# Altium PCB AI Gateway - Carrier.PcbDoc (part 1 of 3) (continued)
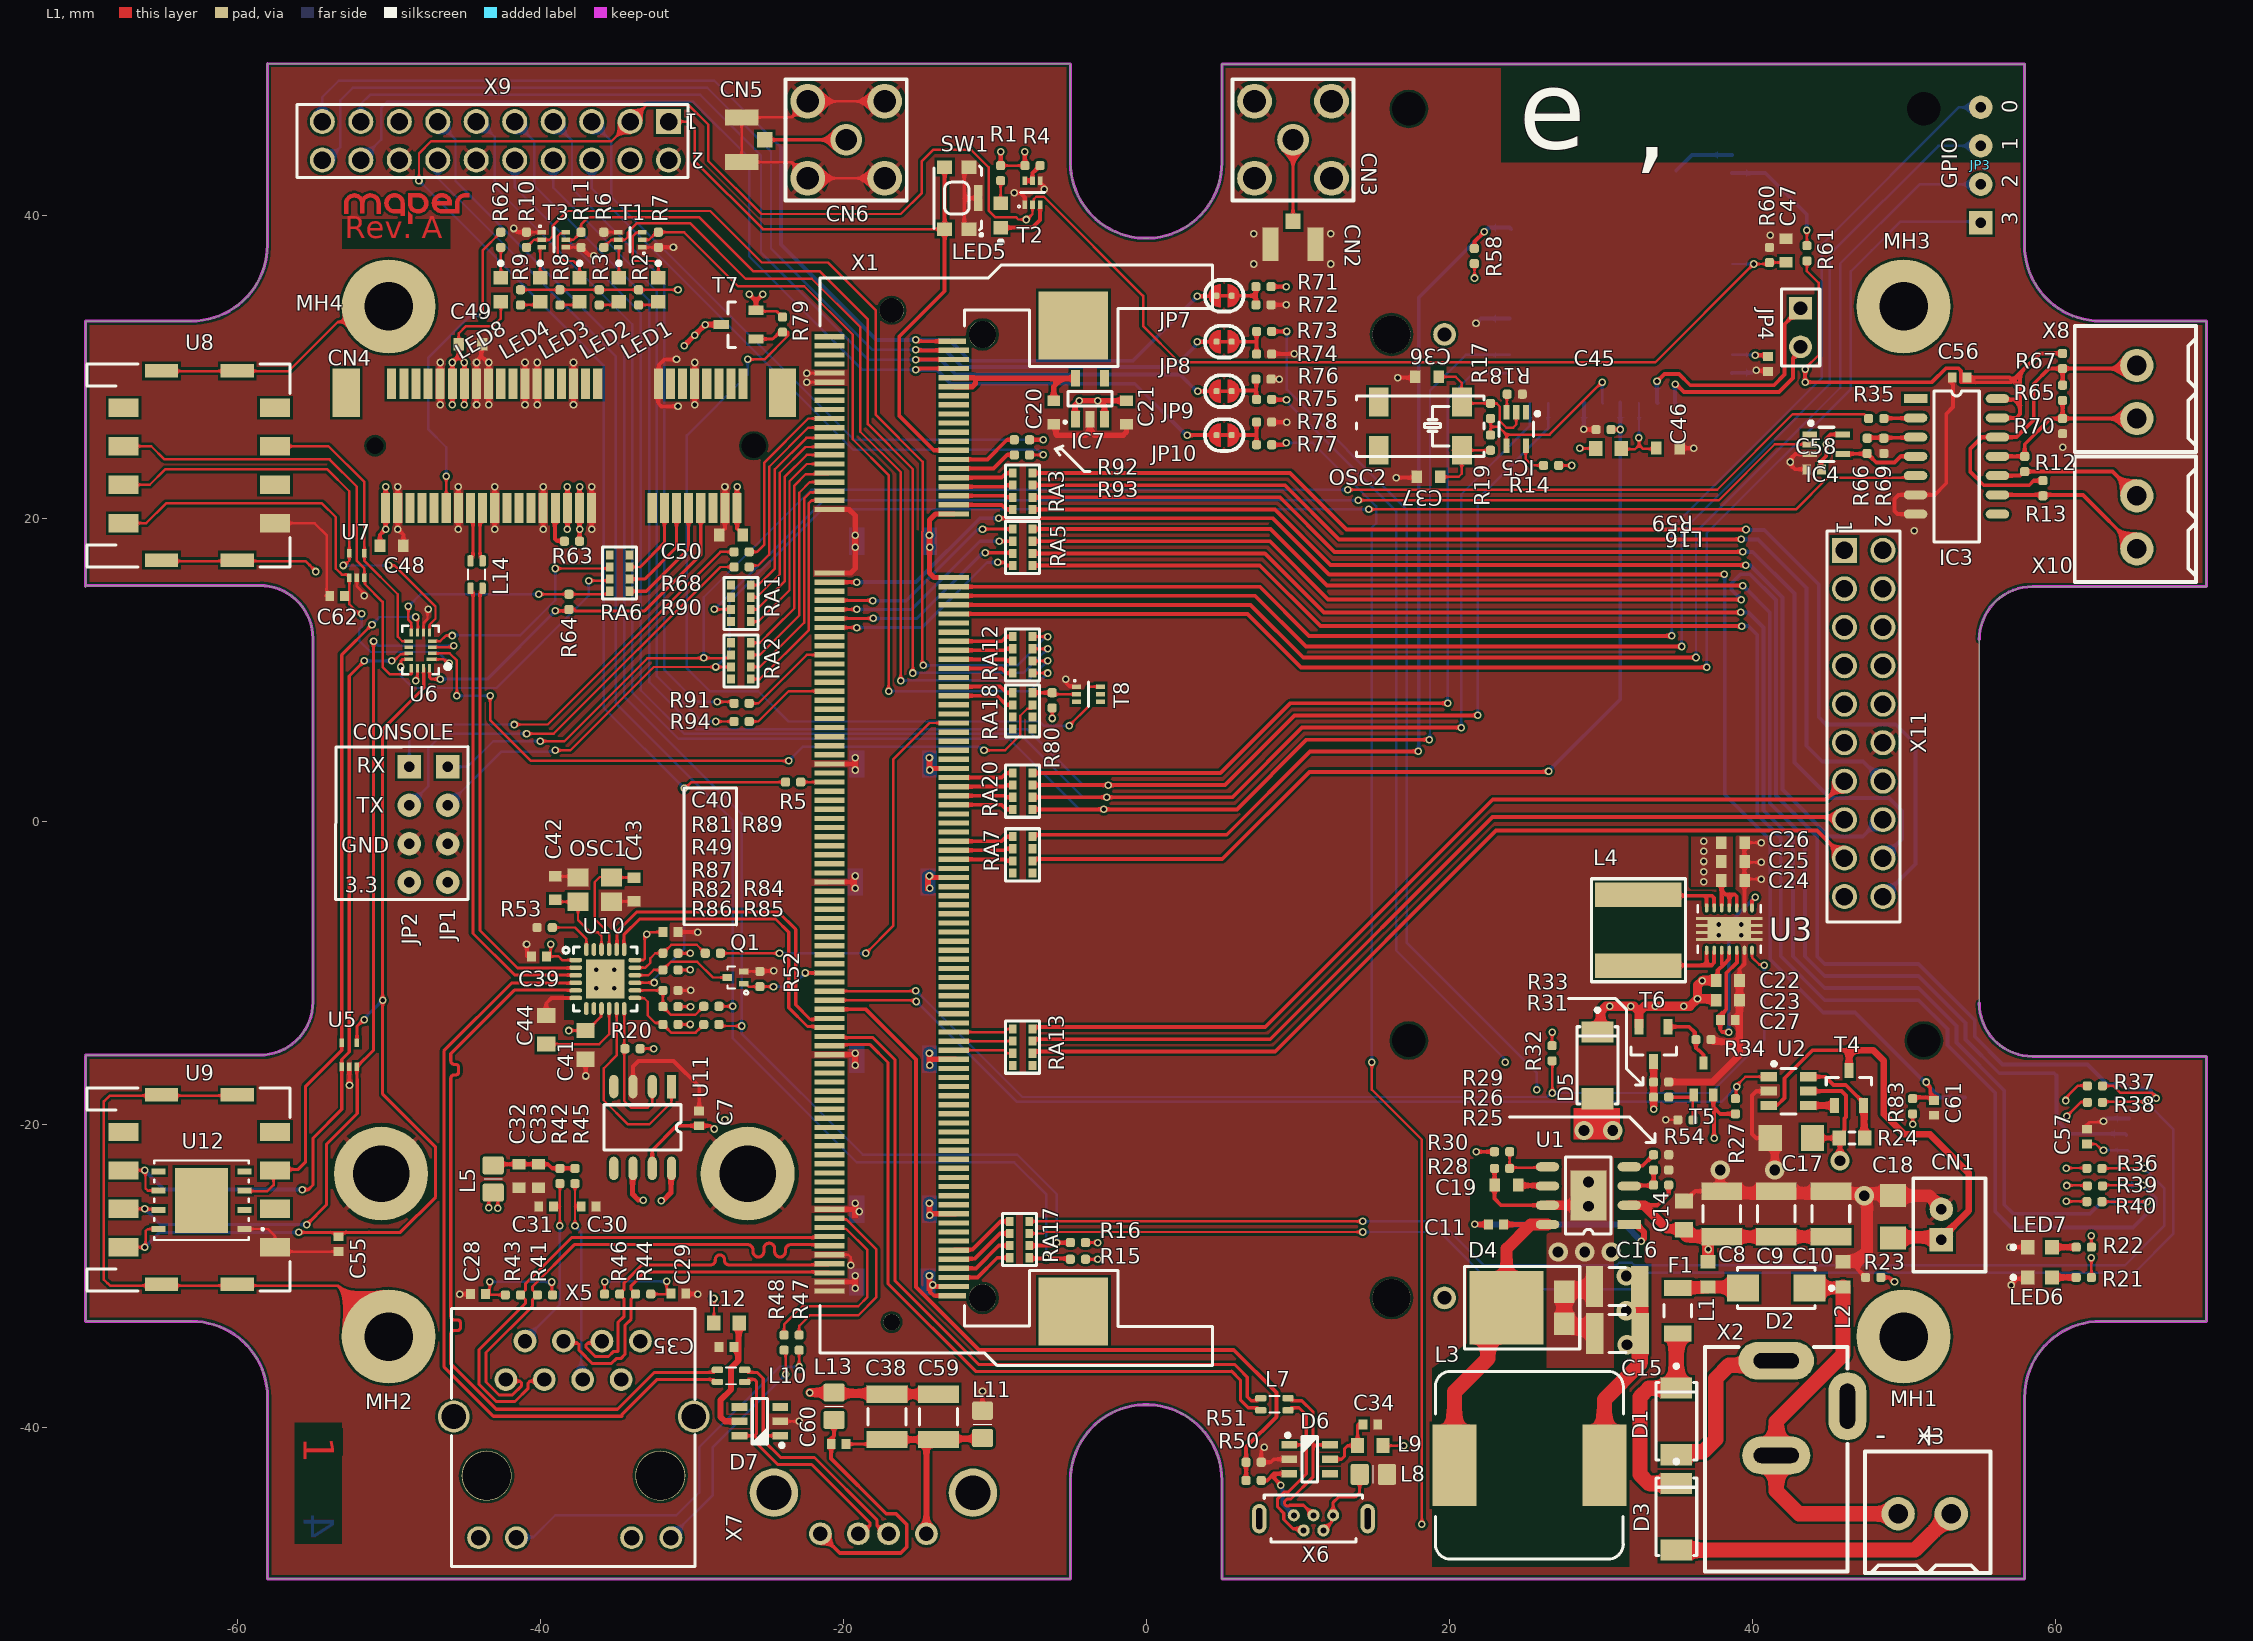
[diagram p0: L1 view]
## Components (designator, comment, footprint, x,y, rotation, side; value= is the part's Value field where it differs from the comment) (continued)
R32 "1M 1% 63mW" RESC1005X40N 26.8,-15.3 r90 top value=1M
R33 "75K 1% 63mW" RESC1005X40N 34,-17.2 r180 top value=75k
R34 "28K 1% 63mW" RESC1005X40N 36.8,-14.4 r180 top value=28k
R35 "10K 1% 63mW" RESC1005X40N 48.2,26.6 r180 top value=10k
R36 "33K 1% 63mW" RESC1005X40N 62.6,-22.9 r180 top value=330
R37 "68K 1% 63mW" RESC1005X40N 62.634,-17.45 r180 top value=68K
R38 "68K 1% 63mW" RESC1005X40N 62.634,-18.55 r180 top value=68K
R39 "68K 1% 63mW" RESC1005X40N 62.634,-24.05 r180 top value=68K
R40 "68K 1% 63mW" RESC1005X40N 62.6,-25.1 r180 top value=68K
R41 "49.9R 1% 63mW" RESC1005X40N -39.675,-31.25 r180 top value=49.9
R42 "0R" RESC1005X40N -38.7,-23.4 r90 top
R43 "49.9R 1% 63mW" RESC1005X40N -41.8,-31.25 r180 top value=49.9
R44 "49.9R 1% 63mW" RESC1005X40N -33.2,-31.2 r180 top value=49.9
R45 "0R" RESC1005X40N -37.7,-23.4 r90 top
R46 "49.9R 1% 63mW" RESC1005X40N -35.25,-31.2 r180 top value=49.9
R47 "150R 1% 63mW" RESC1005X40N -22.9,-34.4 r90 top value=150R
R48 "150R 1% 63mW" RESC1005X40N -23.9,-34.4 r90 top value=150R
R49 "100K 1% 63mW" RESC1005X40N -31.4,-9.8 r0 top value=100k
R50 "560R 1% 63mW" RESC1005X40N 7.1,-43.5 r180 top value=560
R51 "1K 1% 63mW" RESC1005X40N 7.1,-42.3 r0 top value=1K
R52 "100K 1% 63mW" RESC1005X40N -25.5,-10.4 r90 top value=100k
R53 "12K 1% 63mW" RESC1005X40N -39.7,-7 r180 top value=12K
R54 "280K 1% 63mW" RESC1005X40N 35.6,-19.7 r0 top value=280k
R58 "10K 1% 63mW" RESC1005X40N 21.665,37.326 r270 top value=10k
R59 "1M 1% 63mW" RESC1005X40N 30.2,25.875 r0 top value=1M
R60 "1M 1% 63mW" RESC1005X40N 41.15,37.4 r270 top value=1M
R61 "1M 1% 63mW" RESC1005X40N 43.625,37.509 r90 top value=1M
R62 "150R 1% 63mW" RESC1005X40N -42.6,38.4 r90 top value=150R
R63 "0R" RESC1005X40N -37.9,18.5 r180 top
R64 "10K 1% 63mW" RESC1005X40N -38.1,14.5 r270 top value=10k
R65 "120R 1% 63mW" RESC1005X40N 60.5,28.3 r270 top value=120R
R66 "0R" RESC1005X40N 47.6,24.8 r270 top
R67 "680R 1% 63mW" RESC1005X40N 60.5,30.4 r90 top value=680
R68 "22R 1% 63mW" RESC1005X40N -26.7,17.8 r0 top value=22
R69 "100K 1% 63mW" RESC1005X40N 48.7,24.8 r90 top value=100k
R70 "680R 1% 63mW" RESC1005X40N 60.5,26.1 r90 top value=680
R71 "280K 1% 63mW" RESC1005X40N 7.75,35.305 r0 top value=280k
R72 "280K 1% 63mW" RESC1005X40N 7.75,34.105 r0 top value=280k
R73 "280K 1% 63mW" RESC1005X40N 7.792,32.347 r0 top value=280k
R74 "280K 1% 63mW" RESC1005X40N 7.792,30.851 r0 top value=280k
R75 "280K 1% 63mW" RESC1005X40N 7.792,27.86 r0 top value=280k
R76 "280K 1% 63mW" RESC1005X40N 7.75,29.205 r0 top value=280k
R77 "1M 1% 63mW" RESC1005X40N 7.792,24.868 r180 top value=1M
R78 "100K 1% 63mW" RESC1005X40N 7.792,26.364 r180 top value=100k
R79 "100K 1% 63mW" RESC1005X40N -24,32.8 r90 top value=100k
R80 "10K 1% 63mW" RESC1005X40N -6.2,8 r270 top value=10k
R81 "100K 1% 63mW" RESC1005X40N -31.4,-8.7 r0 top value=100k
R82 "100K 1% 63mW" RESC1005X40N -31.4,-12.225 r0 top value=100k
R83 "10K 1% 63mW" RESC1005X40N 50.6,-18.8 r90 top value=10k
R84 "0R" RESC1005X40N -28.7,-12.2 r0 top
R85 "0R" RESC1005X40N -28.7,-13.4 r0 top
R86 "100K 1% 63mW" RESC1005X40N -31.4,-13.4 r180 top value=100k
R87 "100K 1% 63mW" RESC1005X40N -31.4,-11.15 r180 top value=100k
R89 "0R" RESC1005X40N -28.6,-8.7 r0 top
R90 "22R 1% 63mW" RESC1005X40N -26.7,16.8 r0 top value=22
R91 "22R 1% 63mW" RESC1005X40N -26.7,7.8 r0 top value=22
R92 "22R 1% 63mW" RESC1005X40N -8.2,25.2 r180 top value=22
R93 "22R 1% 63mW" RESC1005X40N -8.2,24.2 r180 top value=22
R94 "22R 1% 63mW" RESC1005X40N -26.7,6.6 r0 top value=22
RA1 "22R" T_RESISTOR_ARRAY_X4 -27.4,15.6 r0 top
RA2 "22R" T_RESISTOR_ARRAY_X4 -27.4,11.8 r0 top
RA3 "22R" T_RESISTOR_ARRAY_X4 -8.8,23 r0 top
RA5 "22R" T_RESISTOR_ARRAY_X4 -7.5,16.9 r180 top
RA6 "22R" T_RESISTOR_ARRAY_X4 -34.1,15.2 r180 top
RA7 "22R" T_RESISTOR_ARRAY_X4 -8.8,-1 r0 top
RA12 "22R" T_RESISTOR_ARRAY_X4 -7.5,9.8 r180 top
RA13 "22R" T_RESISTOR_ARRAY_X4 -8.8,-13.7 r0 top
RA17 "22R" T_RESISTOR_ARRAY_X4 -9,-26.4 r0 top
RA18 "22R" T_RESISTOR_ARRAY_X4 -8.8,8.5 r0 top
RA20 "22R" T_RESISTOR_ARRAY_X4 -8.8,3.2 r0 top
SW1 "KMR211GLFS" T_CNK_KMR211GLFS -12.5,41.15 r270 top
T1 "SI-1024X" SOTFL50P160X60-6N -34.061,38.4 r180 top
T2 "SI-1024X" SOTFL50P160X60-6N -7.5,41.51 r90 top
T3 "SI-1024X" SOTFL50P160X60-6N -39.1,38.4 r0 top
T4 "SQ2303ES-T1_GE3" SOT95P230X110-3N 46.4,-17.6 r90 top
T5 "BC857BW,135" SOT65P210X110-3N 36.8,-17 r90 top
T6 "Si2365EDS-T1-GE3" SOT95P230X110-3N 33.5,-14.7 r270 top
T7 "Si2365EDS-T1-GE3" SOT95P230X110-3N -26.9,32.8 r180 top
T8 "SI-1024X" SOTFL50P160X60-6N -3.8,8.4 r0 top
U1 "LMR14030SDDA" SOIC127P600X175-9AN-2 29.2,-24.7 r180 top value=Value
U2 "MCP73826" SOT95P284X122-6N 42.4,-17.8 r0 top
U3 "TPS63021DSJR" DSJ14_2P85X1P58 38.5,-7.1 r270 top value=Value
U4 "ATWILC3000-MR110UA" ATWILC3000-MR110CA 31.37,35.95 r180 bottom locked
U5 "DZQA5V6AXV5" SOTFL50P162X62-5N -52.6,-15.4 r90 top
U6 "NX3DV2567GU,115" XFQFN-16 -47.9,11.3 r180 top
U7 "DZQA5V6AXV5" SOTFL50P162X62-5N -52.1,16.9 r90 top
U8 "SIM7050-6-0-00-A" SIM7050-8-0-00-X_revC -62.5,23.5 r90 top
U9 "SIM7050-6-0-00-A" SIM7050-8-0-00-X_revC -62.5,-24.3 r90 top locked
U10 "USB2422-I_MJ" QFN50P400X400X80-25N -35.7,-10.4 r0 top
U11 "MIC2025-1" SOIC127P600X175-8N -33.235,-20.2 r270 top
U12 "ST4SIM-200M" ST4SIM-200M -62.358,-25.005 r180 top
X1 "1473005-1" T_TYCO_1473005-1 -20.9,32 r0 top locked
X2 "54-00167" PJ-002A 41.6,-38.6 r270 top
X3 "1984617" TERM-BLK-3.5MM 49.65,-45.7 r0 top
X4 "MEM2051-00-195-00-A" 101-00660-68-6+MEM2051-00-195-00-A_REVC 54,-16.18 r270 bottom locked
X5 "JD2-0001NL" T_PULSE_JD2-0001NL -29.765,-49.18 r0 top
X6 "USB3105-30-A" T_GCT_USB3105-30-A 11.05,-46.02 r0 top
X7 "UE27AE54100" T_FCI_UE27AE54100 -18,-47.02 r270 top
X8 "1984617" TERM-BLK-3.5MM 65.4,26.6 r90 top
X9 "PH2-20-UA" T_JVE_21B22564-40S10B-01G -31.52,46.2 r180 top
X10 "1984617" TERM-BLK-3.5MM 65.4,18 r90 top
X11 "PH2-20-UA" "T_JVE_21B22564-40S10B-01G - THREADMODULE" 48.64,-4.96 r90 top locked

## Footprints (in the part's own frame and the unit in brackets; to place one, negate y for a bottom-side part, rotate by r counter-clockwise, add the part's x,y. Pads: shape width x height; smd on the part's side, far side on the other; paste and mask are expansions set on the pad)
101-00660-68-6+MEM2051-00-195-00-A_REVC [mm] "FCI microSD connector"
  rect 0.7x1.5 smd: 1(8.92,-10.7) 2(7.82,-10.3) 3(6.72,-10.7) 4(5.62,-10.9) 5(4.52,-10.7) 6(3.42,-10.9) 7(2.32,-10.7) 8(1.22,-10.7)
  rect 1.3x1.8 smd: G1(2.03,-0.05)
  rect 1.4x2.5 smd: MH1(13.6,-14.25) MH2(0.45,-13.25)
  rect 1.8x1.8 smd: S1(7.75,-0.05)
  rect 1x1.8 smd: S2(3.42,-0.05)
  L1 keep-out region: 0.73,-3.37 9.43,-3.37 9.43,-5.67 0.73,-5.67
  silkscreen extent -0.02,-14.84 13.98,0.56, body extent -0.05,-20.1 14.05,0.6, height 1.95
2041262-1 [mm]
  rect 0.6x2 smd: 1(-11.8,-4.1) 2(-11.4,4.1) 3(-11,-4.1) 4(-10.6,4.1) 5(-10.2,-4.1) 6(-9.8,4.1) 7(-9.4,-4.1) 8(-9,4.1) 9(-8.6,-4.1) 10(-8.2,4.1) 11(-7.8,-4.1) 12(-7.4,4.1) 13(-7,-4.1) 14(-6.6,4.1) 15(-6.2,-4.1) 16(-5.8,4.1) 17(-2.2,-4.1) 18(-1.8,4.1) 19(-1.4,-4.1) 20(-1,4.1) 21(-0.6,-4.1) 22(-0.2,4.1) 23(0.2,-4.1) 24(0.6,4.1) 25(1,-4.1) 26(1.4,4.1) 27(1.8,-4.1) 28(2.2,4.1) 29(2.6,-4.1) 30(3,4.1) 31(3.4,-4.1) 32(3.8,4.1) 33(4.2,-4.1) 34(4.6,4.1) 35(5,-4.1) 36(5.4,4.1) 37(5.8,-4.1) 38(6.2,4.1) 39(6.6,-4.1) 40(7,4.1) 41(7.4,-4.1) 42(7.8,4.1) 43(8.2,-4.1) 44(8.6,4.1) 45(9,-4.1) 46(9.4,4.1) 47(9.8,-4.1) 48(10.2,4.1) 49(10.6,-4.1) 50(11,4.1) 51(11.4,-4.1) 52(11.8,4.1)
  rect 1.8x3.2 smd: H1(-14.4,-3.5) H2(14.4,-3.5)
  round 6.2 / inner round 0 / far side round 0 hole 3.73: S1(-12.1,48.05) S2(12.1,48.05)
  round 0 hole 1.6 unplated: ""(-12.5,0)
  round 0 hole 1.1 unplated: ""(12.5,0)
  body extent -14.95,-4.77 14.95,50.05, height 6.8
0733910320 [mm] "RPSMA"
  round 2.3 hole 1.5: 1(-2.54,2.54) 2(2.54,2.54) 3(2.54,-2.54) 4(-2.54,-2.54)
  round 2.1 hole 1.4: 5(0,0)
  silkscreen extent -4,-4 4,4, body extent -11.7,-3.2 3.2,3.2, height 9.6
ATWILC3000-MR110CA [mm]
  rect 1.88x0.813 smd: 1(-7.31,8.05) 2(-7.31,6.85) 3(-7.31,5.65) 4(-7.31,4.45) 5(-7.31,3.25) 6(-7.31,2.05) 7(-7.31,0.85) 8(-7.31,-0.35) 9(-7.31,-1.55) 10(-7.31,-2.75) 11(-7.31,-3.95) 12(-7.31,-5.15) 13(-7.31,-6.35) 25(7.37,-6.35) 26(7.37,-5.15) 27(7.37,-3.95) 28(7.37,-2.75) 29(7.37,-1.55) 30(7.37,-0.35) 31(7.37,0.85) 32(7.37,2.05) 33(7.37,3.25) 34(7.37,4.45) 35(7.37,5.65) 36(7.37,6.85)
  rect 0.813x1.88 smd: 14(-5.97,-8.33) 15(-4.77,-8.33) 16(-3.57,-8.33) 17(-2.37,-8.33) 18(-1.17,-8.33) 19(0.03,-8.33) 20(1.23,-8.33) 21(2.43,-8.33) 22(3.63,-8.33) 23(4.83,-8.33) 24(6.03,-8.33)
  rect 4.6x4.6 smd paste-5: 37(0,0)
  silkscreen extent -8.55,-8.75 7.75,9.45, body extent -7.33,-8.34 7.41,14.09, height 2.09
"B2B-PH-K-S(LF)(SN) - duplicate" [mm]
  rect 1.55x1.55 hole 0.7: 1(-1,0)
  round 1.55 hole 0.7: 2(1,0)
  silkscreen extent -3.12,-2.92 3.05,1.85, body extent -3,-2.77 2.9,1.73, height 6
CAPC1005X60N [mm]
  rect 0.58x0.66 smd: 1(-0.49,0) 2(0.49,0)
  body extent -0.55,-0.3 0.55,0.3, height 0.5
CAPC3225X160N [mm]
  rect 1.15x2.7 smd: 1(-1.5,0) 2(1.5,0)
  silkscreen extent -0.55,-1.25 0.55,1.25, body extent -1.7,-1.35 1.7,1.35, height 1.9
D_SOD128#1 [mm] "Bidirectional ESD protection"
  rect 1.4x2.1 smd: 1(-2.2,0) 2(2.2,0)
  silkscreen extent -3.77,-1.35 2.55,1.35, body extent -2.25,-1.4 2.25,1.4, height 2.29
D_SOD128#2 [mm] "Bidirectional ESD protection"
  rect 1.4x2.1 smd mask+0.2: 1(-2.2,0) 2(2.2,0)
  silkscreen extent -3.77,-1.35 2.55,1.35, body extent -2.25,-1.4 2.25,1.4, height 2.29
DSJ14_2P85X1P58 [mm]
  rect 0.2x0.775 smd paste+0 mask+0.07: 0(-0.689,1.796) 0(-0.689,-1.796) 0(-0.229,1.796) 0(-0.229,-1.796) 0(0.231,1.796) 0(0.231,-1.796) 0(0.691,1.796) 0(0.691,-1.796)
  rect 1.58x2.85 smd paste-2: 0(0,0)
  oval 0.6x0.24 smd mask+0.07: 1(-1.4,1.5) 2(-1.4,1) 3(-1.4,0.5) 4(-1.4,0) 5(-1.4,-0.5) 6(-1.4,-1) 7(-1.4,-1.5) 8(1.4,-1.5) 9(1.4,-1) 10(1.4,-0.5) 11(1.4,0) 12(1.4,0.5) 13(1.4,1) 14(1.4,1.5)
  silkscreen extent -1.58,-2.07 1.58,2.07, body extent -1.5,-2 1.5,2, height 1
HDR1X2 [mm] "Connector; Header; 2 Position"
  rect 1.5x1.5 hole 0.9: 1(0,0)
  round 1.5 hole 0.9: 2(2.54,0)
  silkscreen extent -1.27,-1.27 3.81,1.27
"HEADER 1X4, 2.54MM PITCH, MALE" [mm]
  rect 1.55x1.55 hole 0.7: 1(-3.81,0)
  round 1.55 hole 0.7: 2(-1.27,0) 3(1.27,0) 4(3.81,0)
INDC1608X95N [mm]
  rect 0.87x1 smd: 1(-0.84,0) 2(0.84,0)
  body extent -0.87,-0.48 0.87,0.48, height 0.6
INDC2012X140N [mm] "Chip Inductor, Body 2.0x1.3mm, IPC Medium Density"
  rrect25% 1.2x1.4 smd: 1(-0.9,0) 2(0.9,0)
  silkscreen extent 0,-0.6 0,0.6, body extent -1.07,-0.7 1.07,0.7, height 1.4
L_NR6028 [mm]
  rect 1.6x5.7 smd: 1(-2.35,0) 2(2.35,0)
  silkscreen extent -3.4,-3.1 3.4,3.1, body extent -3,-2.9 3,2.9, height 4.5
LEDC1608X80N [mm]
  rect 0.9x0.95 smd: 1(-0.8,0) 2(0.8,0)
  silkscreen extent -1.87,-0.12 -1.63,0.13
NC#1 [mm]
  rrect50% 0.4x0.4 smd paste-1 mask-1: 1(-0.5,0)
  rrect50% 0.4x0.4 smd: 2(0.5,0)
  L1 region: 0.225,-0.77 0.531,-0.709 0.791,-0.536 0.964,-0.276 1.025,0.03 1.025,0.03 0.955,0.322 0.778,0.566 0.522,0.723 0.225,0.77 0.225,0.77
  L1 region: -0.225,-0.77 -0.531,-0.709 -0.791,-0.536 -0.964,-0.276 -1.025,0.03 -1.025,0.03 -0.955,0.322 -0.778,0.566 -0.522,0.723 -0.225,0.77 -0.225,0.77
  L1 region: -1.4,1.425
  L1 lines w0.254: -0.225,0 0.225,0
  silkscreen extent -1.27,-1.05 1.27,1.05
NC#2 [mm]
  rrect50% 0.4x0.4 smd paste-1 mask-1: 1(-0.5,0)
  rrect50% 0.4x0.4 smd paste-1: 2(0.5,0)
  L1 region: -0.225,-0.77 -0.531,-0.709 -0.791,-0.536 -0.964,-0.276 -1.025,0.03 -1.025,0.03 -0.955,0.322 -0.778,0.566 -0.522,0.723 -0.225,0.77 -0.225,0.77
  L1 region: 0.225,-0.77 0.531,-0.709 0.791,-0.536 0.964,-0.276 1.025,0.03 1.025,0.03 0.955,0.322 0.778,0.566 0.522,0.723 0.225,0.77 0.225,0.77
  L1 region: -1.4,1.425
  L1 lines w0.254: -0.225,0 0.225,0
  silkscreen extent -1.27,-1.05 1.27,1.05
OSC_ABRACON_ABS25 [mm] "OSC"
  rect 1.3x1.9 smd: 1(-2.75,-1.6) 2(2.75,-1.6) 3(2.75,1.6) 4(-2.75,1.6)
  silkscreen extent -4.2,-2 4.2,2, body extent -2.6,-1.7 2.6,1.7, height 0.9
PJ-002A [mm]
  oval 2.5x5 hole 1 slot 3 at 90 deg: 1(-3,0)
  oval 2.5x4.5 hole 1 slot 3 at 90 deg: 2(3.25,0)
  oval 4.5x2.5 hole 1 slot 3 at 0 deg: 3(0,4.7)
  silkscreen extent -3.9,-4.7 10.9,4.7, body extent -3.45,-4.5 10.85,5, height 10.89
QFN50P400X400X80-25N [mm] "QFN,0.50mm pitch,square;24 pin,4.00mm L X 4.00mm W X 0.75mm H body (w/thermal tab)"
  rect 2.55x2.55 smd paste-5: 0(0,0)
  oval 0.85x0.3 smd: 1(-1.95,1.25) 2(-1.95,0.75) 3(-1.95,0.25) 4(-1.95,-0.25) 5(-1.95,-0.75) 6(-1.95,-1.25) 13(1.95,-1.25) 14(1.95,-0.75) 15(1.95,-0.25) 16(1.95,0.25) 17(1.95,0.75) 18(1.95,1.25)
  oval 0.3x0.85 smd: 7(-1.25,-1.95) 8(-0.75,-1.95) 9(-0.25,-1.95) 10(0.25,-1.95) 11(0.75,-1.95) 12(1.25,-1.95) 19(1.25,1.95) 20(0.75,1.95) 21(0.25,1.95) 22(-0.25,1.95) 23(-0.75,1.95) 24(-1.25,1.95)
  silkscreen extent -2.8,-2.1 2.1,2.1, body extent -2,-2 2,2, height 0.8
RESC1005X40N [mm] "Chip Capacitor, Body 1.0x0.5mm, IPC Medium Density"
  rrect50% 0.6x0.6 smd: 1(-0.5,0) 2(0.5,0)
  body extent -0.5,-0.25 0.5,0.25, height 0.4
RESC1608N [mm] "Chip Resistor, Body 1.6x0.8mm, IPC Medium Density"
  rect 0.9x1 smd: 1(-0.85,0) 2(0.85,0)
  silkscreen extent -0.2,-0.4 0.2,0.4, body extent -0.85,-0.48 0.85,0.48, height 0.6
RESC3216N [mm] "1206; Resistor,Chip;3.15mm L X 1.60mm W X 0.60mm H"
  rect 1.05x1.8 smd: 1(-1.5,0) 2(1.5,0)
  silkscreen extent -0.4,-0.9 0.4,0.9, body extent -1.6,-0.8 1.6,0.8, height 0.71
SIM7050-8-0-00-X_revC [mm] "Micro SIM Card Connector, Retainer Type, 6 & 8 Pin, SMT, Profile 2.45mm"
  rect 1.2x2 smd: 1(-3.81,5) 2(-1.27,5) 3(1.27,5) 4(3.81,5) 5(-3.81,-5) 6(-1.27,-5) 7(1.27,-5) 8(3.81,-5)
  rect 0.9x2.2 smd: G1(-6.25,2.5) G2(-6.25,-2.5) G3(6.25,-2.5) G4(6.25,2.5)
  silkscreen extent -6.7,-6 6.7,7.4, body extent -6.7,-6 6.71,7.4, height 2.41
SOIC127P600X175-8N [mm]
  rect 1.55x0.6 smd: 1(-2.7,1.905)
  oval 1.55x0.6 smd: 2(-2.7,0.635) 3(-2.7,-0.635) 4(-2.7,-1.905) 5(2.7,-1.905) 6(2.7,-0.635) 7(2.7,0.635) 8(2.7,1.905)
  silkscreen extent -1.5,-2.54 1.5,2.54, body extent -2,-2.5 2,2.5, height 1.75
SOIC127P600X175-9AN-2 [mm] "SOIC,1.27mm,pitch;8 pin,3.90mm W X 4.90mm L X 1.75mm H body (w/thermal tab)"
  rect 2.4x3.3 smd: 0(0,0)
  rect 1.55x0.6 smd: 1(-2.7,1.905)
  oval 1.55x0.6 smd: 2(-2.7,0.635) 3(-2.7,-0.635) 4(-2.7,-1.905) 5(2.7,-1.905) 6(2.7,-0.635) 7(2.7,0.635) 8(2.7,1.905)
  silkscreen extent -1.5,-2.54 1.5,2.54, body extent -2,-2.5 2,2.5, height 1.75
SOIC127P600X175-14N [mm] "SOIC,1.27mm,pitch;14 pin,3.90mm W X ??mm L X 1.75mm H body"
  rect 1.55x0.6 smd: 1(-2.7,3.81)
  oval 1.55x0.6 smd: 2(-2.7,2.54) 3(-2.7,1.27) 4(-2.7,0) 5(-2.7,-1.27) 6(-2.7,-2.54) 7(-2.7,-3.81) 8(2.7,-3.81) 9(2.7,-2.54) 10(2.7,-1.27) 11(2.7,0) 12(2.7,1.27) 13(2.7,2.54) 14(2.7,3.81)
  silkscreen extent -1.5,-5.64 1.5,4.31, body extent -2,-4.4 2,4.4, height 1.75
SOT65P210X110-3N [mm] "SOT323, 0.65mm,pitch;3 pin,1.25mm W X 2.00mm L X 1.10mm H body"
  rect 0.85x0.55 smd: 1(-1.05,0.65) 2(-1.05,-0.65) 3(1.05,0)
  body extent -0.63,-1 0.63,1, height 1.1
SOT65P210X110-5N [mm] "SOT353, 0.65mm,pitch;5 pin,1.25mm W X 2.00mm L X 1.10mm H body"
  rect 0.95x0.4 smd: 1(-1.1,0.65) 2(-1.1,0) 3(-1.1,-0.65) 4(1.1,-0.65) 5(1.1,0.65)
  silkscreen extent -1.14,-1.12 0.5,1.52, body extent -0.7,-1.12 0.7,1.13, height 1.1
SOT95P230X110-3N [mm] "SOT23, 3-Leads, Body 2.9x1.3mm, Pitch 0.95mm, Lead Span 2.5mm, IPC Medium Density"
  rect 1x0.6 smd: 1(-1.15,0.95) 2(-1.15,-0.95) 3(1.15,0)
  silkscreen extent 0.2,-1.5 0.7,1.5, body extent -0.7,-1.5 0.7,1.5, height 1.1
SOT95P279X142-5N [mm]
  rect 1.1x0.6 smd: 1(-1.35,0.95) 2(-1.35,0) 3(-1.35,-0.95) 4(1.35,-0.95) 5(1.35,0.95)
  silkscreen extent -1.61,-1.45 0.48,1.73, body extent -0.9,-1.52 0.9,1.52, height 1.1
SOT95P284X122-6N [mm] "SOT23, 6-Leads"
  rect 1.1x0.6 smd: 1(-1.3,0.95) 2(-1.3,0) 3(-1.3,-0.95) 4(1.3,-0.95) 5(1.3,0) 6(1.3,0.95)
  silkscreen extent -1.07,-1.5 0.5,1.92, body extent -0.7,-1.5 0.7,1.5, height 1.1
SOTFL50P160X60-6N [mm]
  rect 0.57x0.3 smd: 1(-0.79,0.5) 2(-0.79,0) 3(-0.79,-0.5) 4(0.79,-0.5) 5(0.79,0) 6(0.79,0.5)
  silkscreen extent -0.99,-0.8 0,0.97, body extent -0.65,-0.85 0.65,0.85, height 0.6
SOTFL50P162X62-5N [mm] "SOTFL,0.50mm,pitch;5 pin,1.175mm W X 1.60mm L X 0.62mm H body"
  rect 0.56x0.3 smd: 1(-0.8,0.5) 2(-0.8,0) 3(-0.8,-0.5) 4(0.8,-0.5) 5(0.8,0.5)
  body extent -0.8,-0.8 0.8,0.8, height 0.62
ST4SIM-200M [mil]
  rect 138x169 smd paste-84 mask+0: 0(0,0)
  rect 35.81x16.03 smd paste+0 mask+0: 1(-111.91,75) 2(-111.91,25) 3(-111.91,-25) 4(-111.91,-75) 5(111.91,-75) 6(111.91,-25) 7(111.91,25) 8(111.91,75)
  silkscreen extent -162,-104 123,104, body extent -118,-99 118,99, height 39
T_CAPC0603X33N [mm]
  rect 0.7x0.85 smd: 1(-0.775,0) 2(0.775,0)
  body extent -0.8,-0.4 0.8,0.4, height 0.9
T_CAPC0805X125N [mm]
  rect 1x1.2 smd: 1(-0.95,0) 2(0.95,0)
  body extent -1,-0.63 1,0.63, height 1.4
T_CAPC1206X180N [mm] "Ceramic Capacitor 1206 (3216 metric), max height 1.8mm"
  rect 1.524x1.7 smd: 1(-1.397,0) 2(1.397,0)
  body extent -1.6,-0.8 1.6,0.8, height 1
T_CNK_KMR211GLFS [mm] "Microminiature Tact Switch for SMT"
  rect 0.9x1 smd: 1(2.05,0.8) 2(2.05,-0.8) 3(-2.05,0.8) 4(-2.05,-0.8)
  rect 1.7x0.55 smd: 5(0,1.43)
  silkscreen extent -2.11,-1.51 2.52,1.72
T_DIOM_TO277A [mm] "Molded Diode, 3-Leads, Body 4.75x6.65mm, IPC Medium Density"
  rect 1.35x1.5 smd: A1(3.805,1.065) A2(3.805,-1.065)
  rect 4.9x4.85 smd: K(0,0)
  silkscreen extent -2.79,-2.72 4.83,2.72, body extent -2.28,-2.38 4.37,2.38, height 1.2
T_FCI_UE27AE54100 [mm] "USB Type A Connector Vertical"
  round 1.5 hole 0.95: 1(0,-3.5) 2(0,-1) 3(0,1) 4(0,3.5)
  round 3.2 hole 2.3: S1(-2.71,-6.57) S2(-2.71,6.57)
  body extent -4.9,-7.94 2.22,7.96, height 14
T_GCT_USB3105-30-A [mm] "Micro USB Connector Vertical"
  round 0.8 hole 0.4: 1(-1.3,0.22) 2(-0.65,-0.78) 3(0,0.22) 4(0.65,-0.78) 5(1.3,0.22)
  oval 0.95x1.95 hole 0.4 slot 1.4 at 90 deg: S1(-3.575,0) S2(3.575,0)
  silkscreen extent -3.25,-1.55 3.25,1.55, body extent -3.98,-1.45 3.98,1.48, height 5.62
T_INDM125125X80N [mm] "Inductor shielded, 12.5mm X 12.5mm"
  rect 5.4x2.9 smd: 1(0,-4.95) 2(0,4.95)
  silkscreen extent -6.2,-6.2 6.2,6.2, body extent -6.25,-6.25 6.25,6.25, height 6
T_JVE_21B22564-40S10B-01G [mm] "Header 2x20"
  rect 1.65x1.65 hole 1.15: 1(0,0)
  round 1.65 hole 1.15: 2(0,2.54) 3(2.54,0) 4(2.54,2.54) 5(5.08,0) 6(5.08,2.54) 7(7.62,0) 8(7.62,2.54) 9(10.16,0) 10(10.16,2.54) 11(12.7,0) 12(12.7,2.54) 13(15.24,0) 14(15.24,2.54) 15(17.78,0) 16(17.78,2.54) 17(20.32,0) 18(20.32,2.54) 19(22.86,0) 20(22.86,2.54)
  silkscreen extent -1.27,-1.14 24.53,3.68
"T_JVE_21B22564-40S10B-01G - THREADMODULE" [mm] "Header 2x20"
  round 0 hole 2.2 unplated: 0(-9.5,31.3) 0(-9.5,-2.7) 0(52,-2.7) 0(52,31.3)
  rect 1.65x1.65 hole 1.15: 1(22.86,2.54)
  round 1.65 hole 1.15: 2(22.86,0) 3(20.32,2.54) 4(20.32,0) 5(17.78,2.54) 6(17.78,0) 7(15.24,2.54) 8(15.24,0) 9(12.7,2.54) 10(12.7,0) 11(10.16,2.54) 12(10.16,0) 13(7.62,2.54) 14(7.62,0) 15(5.08,2.54) 16(5.08,0) 17(2.54,2.54) 18(2.54,0) 19(0,2.54) 20(0,0)
  silkscreen extent -1.67,-1.14 24.13,3.68, body extent -1.24,-1.3 24.16,3.78, height 8.38
T_LITTLEFUSE_SMAJ30CA [mm] "Bidirectional ESD protection"
  rect 2.1x1.8 smd: 1(-2.2,0) 2(2.2,0)
  silkscreen extent -3.78,-1.35 2.55,1.35, body extent -2.25,-1.4 2.25,1.4, height 2.29
T_MountingHoles#1 [mm] "PCB Mounting Holes"
  round 6.2 hole 3.2: 1(10.8,4.3)
T_MountingHoles#2 [mm] "PCB Mounting Holes"
  round 6.2 hole 3.2: 1(6.8,0.9)
T_MountingHoles#3 [mm] "PCB Mounting Holes"
  round 6.2 hole 3.2: 1(0,0)
T_MURATA_DLW21SN900SQ2 [mm] "Common Mode Choke"
  rrect50% 0.75x0.42 smd: 1(-0.9,0.4) 2(0.9,0.4) 3(0.9,-0.4) 4(-0.9,-0.4)
  silkscreen extent -0.34,-0.55 0.34,0.55, body extent -1,-0.6 1,0.6, height 1.2
T_PULSE_JD2-0001NL [mm] "RJ45 Connector"
  round 1.5 hole 0.95: 1(-12.505,12.34) 2(-11.235,14.88) 3(-9.965,12.34) 4(-8.695,14.88) 5(-7.425,12.34) 6(-6.155,14.88) 7(-4.885,12.34) 8(-3.615,14.88)
  round 1.5 hole 1.02: 9(-14.3,1.9) 10(-11.8,1.9) 11(-4.2,1.9) 12(-1.6,1.9)
  round 2.1 hole 1.63: S1(-0.1,9.9) S2(-15.935,9.9)
  round 3.3 hole 3.2: ""(-13.775,5.99) ""(-2.3,6)
  silkscreen extent -16.1,0 -0.02,17.04, body extent -16.21,0.14 0.24,17.09, height 16.6
T_RESISTOR_ARRAY_X4 [mm] "Resistor Array 0.8mm"
  rect 0.5x0.6 smd: 1(0,0) 2(0,-0.8) 3(0,-1.6) 4(0,-2.4) 5(1.3,0) 6(1.3,-0.8) 7(1.3,-1.6) 8(1.3,-2.4)
  silkscreen extent -0.47,-2.92 1.77,0.52, body extent -0.47,-2.92 1.77,0.52, height 0.55
T_SOT95P285X90-6N [mm]
  rect 1.05x0.5 smd: 1(-1.35,0.95) 2(-1.35,0) 3(-1.35,-0.95) 4(1.35,-0.95) 5(1.35,0) 6(1.35,0.95)
  silkscreen extent -1.57,-1.5 0.5,1.7, body extent -0.87,-1.54 0.87,1.54, height 1.45
T_TYCO_1473005-1 [mm] "SODIMM Connector"
  rect 2x0.35 smd: 1(0,0) 3(0,-0.6) 4(8.2,-0.9) 5(0,-1.2) 6(8.2,-1.5) 7(0,-1.8) 8(8.2,-2.1) 9(0,-2.4) 10(8.2,-2.7) 11(0,-3) 12(8.2,-3.3) 13(0,-3.6) 14(8.2,-3.9) 15(0,-4.2) 16(8.2,-4.5) 17(0,-4.8) 18(8.2,-5.1) 19(0,-5.4) 20(8.2,-5.7) 21(0,-6) 22(8.2,-6.3) 23(0,-6.6) 24(8.2,-6.9) 25(0,-7.2) 26(8.2,-7.5) 27(0,-7.8) 28(8.2,-8.1) 29(0,-8.4) 30(8.2,-8.7) 31(0,-9) 32(8.2,-9.3) 33(0,-9.6) 34(8.2,-9.9) 35(0,-10.2) 36(8.2,-10.5) 37(0,-10.8) 38(8.2,-11.1) 39(0,-11.4) 40(8.2,-11.7) 41(0,-15.6) 42(8.2,-15.9) 43(0,-16.2) 44(8.2,-16.5) 45(0,-16.8) 46(8.2,-17.1) 47(0,-17.4) 48(8.2,-17.7) 49(0,-18) 50(8.2,-18.3) 51(0,-18.6) 52(8.2,-18.9) 53(0,-19.2) 54(8.2,-19.5) 55(0,-19.8) 56(8.2,-20.1) 57(0,-20.4) 58(8.2,-20.7) 59(0,-21) 60(8.2,-21.3) 61(0,-21.6) 62(8.2,-21.9) 63(0,-22.2) 64(8.2,-22.5) 65(0,-22.8) 66(8.2,-23.1) 67(0,-23.4) 68(8.2,-23.7) 69(0,-24) 70(8.2,-24.3) 71(0,-24.6) 72(8.2,-24.9) 73(0,-25.2) 74(8.2,-25.5) 75(0,-25.8) 76(8.2,-26.1) 77(0,-26.4) 78(8.2,-26.7) 79(0,-27) 80(8.2,-27.3) 81(0,-27.6) 82(8.2,-27.9) 83(0,-28.2) 84(8.2,-28.5) 85(0,-28.8) 86(8.2,-29.1) 87(0,-29.4) 88(8.2,-29.7) 89(0,-30) 90(8.2,-30.3) 91(0,-30.6) 92(8.2,-30.9) 93(0,-31.2) 94(8.2,-31.5) 95(0,-31.8) 96(8.2,-32.1) 97(0,-32.4) 98(8.2,-32.7) 99(0,-33) 100(8.2,-33.3) 101(0,-33.6) 102(8.2,-33.9) 103(0,-34.2) 104(8.2,-34.5) 105(0,-34.8) 106(8.2,-35.1) 107(0,-35.4) 108(8.2,-35.7) 109(0,-36) 110(8.2,-36.3) 111(0,-36.6) 112(8.2,-36.9) 113(0,-37.2) 114(8.2,-37.5) 115(0,-37.8) 116(8.2,-38.1) 117(0,-38.4) 118(8.2,-38.7) 119(0,-39) 120(8.2,-39.3) 121(0,-39.6) 122(8.2,-39.9) 123(0,-40.2) 124(8.2,-40.5) 125(0,-40.8) 126(8.2,-41.1) 127(0,-41.4) 128(8.2,-41.7) 129(0,-42) 130(8.2,-42.3) 131(0,-42.6) 132(8.2,-42.9) 133(0,-43.2) 134(8.2,-43.5) 135(0,-43.8) 136(8.2,-44.1) 137(0,-44.4) 138(8.2,-44.7) 139(0,-45) 140(8.2,-45.3) 141(0,-45.6) 142(8.2,-45.9) 143(0,-46.2) 144(8.2,-46.5) 145(0,-46.8) 146(8.2,-47.1) 147(0,-47.4) 148(8.2,-47.7) 149(0,-48) 150(8.2,-48.3) 151(0,-48.6) 152(8.2,-48.9) 153(0,-49.2) 154(8.2,-49.5) 155(0,-49.8) 156(8.2,-50.1) 157(0,-50.4) 158(8.2,-50.7) 159(0,-51) 160(8.2,-51.3) 161(0,-51.6) 162(8.2,-51.9) 163(0,-52.2) 164(8.2,-52.5) 165(0,-52.8) 166(8.2,-53.1) 167(0,-53.4) 168(8.2,-53.7) 169(0,-54) 170(8.2,-54.3) 171(0,-54.6) 172(8.2,-54.9) 173(0,-55.2) 174(8.2,-55.5) 175(0,-55.8) 176(8.2,-56.1) 177(0,-56.4) 178(8.2,-56.7) 179(0,-57) 180(8.2,-57.3) 181(0,-57.6) 182(8.2,-57.9) 183(0,-58.2) 184(8.2,-58.5) 185(0,-58.8) 186(8.2,-59.1) 187(0,-59.4) 188(8.2,-59.7) 189(0,-60) 190(8.2,-60.3) 191(0,-60.6) 192(8.2,-60.9) 193(0,-61.2) 194(8.2,-61.5) 195(0,-61.8) 196(8.2,-62.1) 197(0,-62.4) 198(8.2,-62.7) 199(0,-63)
  rect 1.8x0.35 smd: 2(8.1,-0.3) 200(8.1,-63.3)
  round 1.1 hole 1.1 unplated: ""(4.1,-65.05)
  round 1.6 hole 1.6 unplated: ""(4.1,1.75)
  round 1.8 hole 1.8 unplated: ""(10.1,-63.45) ""(10.1,0.15)
  rect 4.6x4.5 smd: ""(16.1,-64.35) ""(16.1,0.75)
  round 2.5 hole 2.5 unplated: ""(37.1,-63.45) ""(37.1,0.15)
  round 1.5 hole 0.9: ""(40.6,-63.45) ""(40.6,0.15)
  silkscreen extent -0.64,-67.9 25.27,4.75, body extent -0.9,-67.4 25.15,4.1, height 5.22
TERM-BLK-3.5MM [mm]
  round 2.2 hole 1.3: 1(0,0) 2(3.5,0)
  silkscreen extent -2.2,-3.9 6.1,4.1, body extent -1.91,-3.6 5.71,3.8, height 8.5
TRANS_RUM001_ROM [mm]
  rect 0.37x0.606 smd paste+0 mask+0: 1(-0.4,-0.544) 2(0.4,-0.544)
  rect 0.47x0.606 smd paste+0 mask+0: 3(0,0.544)
  silkscreen extent -1.13,-0.83 0.72,0.53, body extent -0.6,-0.65 0.6,0.65, height 0.61
U.FL-R-SMT-1 [mm]
  rect 1x1.05 smd: 1(0,-1.525)
  rect 1.05x2.2 smd: 2(1.475,0) 3(-1.475,0)
  body extent -1.5,-1.53 1.5,1.57, height 1.25
XFQFN-16 [mm]
  rect 0.65x0.22 smd paste-0.02 mask+0.125: 1(-0.725,0.6)
  rect 0.55x0.22 smd paste-0.02 mask+0.125: 2(-0.775,0.2) 3(-0.775,-0.2) 4(-0.775,-0.6) 9(0.775,-0.6) 10(0.775,-0.2) 11(0.775,0.2) 12(0.775,0.6)
  rect 0.22x0.55 smd paste-0.02 mask+0.125: 5(-0.6,-1.175) 6(-0.2,-1.175) 7(0.2,-1.175) 8(0.6,-1.175) 13(0.6,1.175) 14(0.2,1.175) 15(-0.2,1.175) 16(-0.6,1.175)
  body extent -1.05,-1.45 1.05,1.45, height 0.8
XTAL3.2x2.5 [mm]
  rect 1.4x1.2 smd: 1(-1.1,-0.8) 2(1.1,-0.8) 3(1.1,0.8) 4(-1.1,0.8)
  body extent -1.6,-1.3 1.6,1.3, height 3